# Allegro board 038RT-9068CJK8E-A100_0921_1.brd (continued)
## Nets (continued)
SH32_D_SJTMS: UNK3HOST2.8 UNK3RH281.2
SH32_DEV_SLP: UNK3RH2262.2 UNK3RH2263.2
SH32_DIS_DB: UNK3HOST2.29 UNK3RH229.1
SH32_GPIO8: UNK3RH2102.1 UNK3RH2104.2
SH32_GPIO_VBUS: UNK3RH2282.2 UNK3RH2283.2
SH32_ISOLATEBPIN: UNK3HOST2.12 UNK3RH212.2
SH32_L_SWR_5TO1_OUT: SH32_L_SWR_5TO1_OUT.1(TP) UNK3CH221.1 UNK3CH222.1 UNK3CH2111.1 UNK3CH2112.1 UNK3CH2251.1 UNK3CH2252.1 UNK3CH2351.1 UNK3CH2352.1 UNK3CH2551.1 UNK3CH2552.1 UNK3CH2601.1 UNK3CH2602.1 UNK3CH2631.1 UNK3CH2632.1 UNK3CH2633.1 UNK3CH2634.1 UNK3HOST2.2 UNK3HOST2.11 UNK3HOST2.25 UNK3HOST2.35 UNK3HOST2.55 UNK3HOST2.60 UNK3HOST2.63 UNK3LH21.1 UNK3RH216.1
SH32_LANWAKEB: UNK3HOST2.10 UNK3RH2101.2 UNK3RH2102.2 UNK3RH2103.2
SH32_LDO_5TO3_OUT: SH32_LDO_5TO3_OUT.1(TP) UNK3CH211.1 UNK3CH212.1 UNK3CH241.1 UNK3CH242.1 UNK3CH252.1 UNK3CH2201.1 UNK3CH2202.1 UNK3CH2341.1 UNK3CH2342.1 UNK3CH2391.1 UNK3CH2392.1 UNK3HOST2.1 UNK3HOST2.4 UNK3HOST2.20 UNK3HOST2.34 UNK3HOST2.39 UNK3HOST2.52 UNK3RH23.1 UNK3RH213.1 UNK3RH214.1 UNK3RH271.1 UNK3RH2103.1 UNK3RH2261.2 UNK3RH2271.2 UNK3RH2281.2
SH32_LED1: UNK3RH2272.2 UNK3RH2273.2
SH32_P7_CLKREQB: UNK3HOST2.13 UNK3K211.7 UNK3RH213.2
SH32_P7_HSI+: UNK3CS114.2 UNK3HOST2.64
SH32_P7_HSI-: UNK3CS113.2 UNK3HOST2.65
SH32_P7_HSO+: UNK3CH268.1 UNK3K213.26
SH32_P7_HSO-: UNK3CH267.1 UNK3K213.27
SH32_P7_ISOLATEB: UNK3K220.7 UNK3RH212.1 UNK3RS114.2
SH32_P7_LANWAKEB: UNK3K212.7 UNK3RH2101.1
SH32_P7_PCIE_RESETB: UNK3HOST2.14 UNK3K221.7 UNK3RH214.2
SH32_P7_REFCLK_100M+: UNK3HOST2.61 UNK3K214.36
SH32_P7_REFCLK_100M-: UNK3HOST2.62 UNK3K214.35
SH32_RSET: UNK3HOST2.51 UNK3RH2511.1
SH32_RST_INPIN: UNK3HOST2.3 UNK3RH23.2
SH32_SJTCLK: UNK3RH251.1 UNK3RH252.2
SH32_SJTDI: UNK3RH261.1 UNK3RH262.2
SH32_SJTDO/LED0: UNK3RH291.1 UNK3RH292.2
SH32_SJTMS: UNK3RH281.1 UNK3RH282.2
SH32_SPICK: UNK3HOST2.19 UNK3RH219.2 UNK3SPIH21.6
SH32_SPICK_DBG: UNK3RH219.1 UNK3RH2192.2
SH32_SPICS: UNK3HOST2.24 UNK3RH2241.2 UNK3RH2242.2 UNK3SPIH21.1
SH32_SPICS_DBG: UNK3RH2241.1 UNK3RH2243.2
SH32_SPIO2: UNK3HOST2.21 UNK3RH221.2 UNK3SPIH21.3
SH32_SPIO3: UNK3HOST2.22 UNK3RH222.2 UNK3SPIH21.7
SH32_SPISI: UNK3HOST2.18 UNK3RH218.2 UNK3SPIH21.5
SH32_SPISI_DBG: UNK3RH218.1 UNK3RH2182.2
SH32_SPISO: UNK3HOST2.23 UNK3RH223.2 UNK3SPIH21.2
SH32_SPISO_DBG: UNK3RH223.1 UNK3RH2232.2
SH32_SWR_5TO1_OUT: UNK3HOST2.16 UNK3LH21.2
SH32_TESTENPIN: UNK3HOST2.7 UNK3RH271.2 UNK3RH272.2
SH32_USB_AVDD10: SH32_USB_AVDD10.1(TP) UNK3CH2361.1 UNK3CH2362.1 UNK3CH2363.1 UNK3CH2364.1 UNK3CH2401.1 UNK3CH2402.1 UNK3CH2403.1 UNK3CH2404.1 UNK3CH2501.1 UNK3CH2502.1 UNK3CH2503.1 UNK3CH2504.1 UNK3HOST2.36 UNK3HOST2.40 UNK3HOST2.50 UNK3RH216.2
SH32_XTAL_IN: UNK3CH253.2 UNK3HOST2.53 UNK3YH21.3
SH32_XTAL_OUT: UNK3CH254.2 UNK3HOST2.54 UNK3YH21.1
SLOT0.CH0: SLOT0-UP.B27 UNK3R362.2
SLOT0.CH1: SITE2.P19(P1_RXER) SLOT0-UP.A26
SLOT0.CH2: SITE2.U18(P1_TESTD) SLOT0-UP.C26
SLOT0.CH3: SITE2.A10(RSET) SLOT0-UP.B25 UNK2R110.1
SLOT0.CH4: SLOT0-UP.A24 UNK2K56.2 UNK2K58.3
SLOT0.CH5: SLOT0-UP.C24 UNK2K56.7 UNK2K58.6
SLOT0.CH6: R327.1 RD82.2 SLOT0-UP.B23
SLOT0.CH7: R328.1 RD83.2 SLOT0-UP.A22
SLOT0.CH8: RD81.2 SLOT0-UP.C22
SLOT0.CH9: RD84.2 SLOT0-UP.B21
SLOT0.CH10: SLOT0-UP.A20 UNK2K52.2 UNK2K54.3
SLOT0.CH11: SLOT0-UP.C20 UNK2K52.7 UNK2K54.6
SLOT0.CH12: SLOT0-UP.B19 UNK2K240.2
SLOT0.CH13: SLOT0-UP.A18 UNK2K240.7
SLOT0.CH14: SLOT0-UP.C18 UNK2K242.2
SLOT0.CH15: SLOT0-UP.B17 UNK2K242.7
SLOT0.CH16: SLOT0-UP.A16 UNK2K241.2
SLOT0.CH17: SLOT0-UP.C16 UNK2K241.7
SLOT0.CH18: SLOT0-UP.B15 UNK2K243.2
SLOT0.CH19: SLOT0-UP.A14 UNK2K243.7
SLOT0.CH20: SLOT0-UP.C14 UNK2RR935.2
SLOT0.CH21: SLOT0-UP.B13 UNK2RR532.2
SLOT0.CH22: SLOT0-UP.A12 UNK1RD74.2
SLOT0.CH23: SLOT0-UP.C12 UNK3RD74.2
SLOT0.CH24: RD74.2 SLOT0-UP.B11
SLOT0.CH25: SLOT0-UP.A10 UNK2RD74.2
SLOT0.CH26: MUX3.6(DA) SLOT0-UP.C10
SLOT0.CH27: MUX3.7(DB) SLOT0-UP.B9
SLOT0.CH28: MUX8.6(DA) SLOT0-UP.A8
SLOT0.CH29: MUX8.7(DB) SLOT0-UP.C8
SLOT0.CH30: MUX4.6(DA) SLOT0-UP.B7
SLOT0.CH31: MUX4.7(DB) SLOT0-UP.A6
SLOT0.CH32: SLOT0-DOWN.B24 UNK1R347.2 UNK1R350.2
SLOT0.CH33: SLOT0-DOWN.A23 UNK1R348.2 UNK1R351.1
SLOT0.CH34: RR535.2 SLOT0-DOWN.C23
SLOT0.CH35: RR531.2 SLOT0-DOWN.B22
SLOT0.CH36: RR935.2 SLOT0-DOWN.A21
SLOT0.CH37: RR932.2 SLOT0-DOWN.C21
SLOT0.CH38: SLOT0-DOWN.B20 UNK3K181.5
SLOT0.CH39: SLOT0-DOWN.A19 UNK1K181.5
SLOT0.CH40: SLOT0-DOWN.C19 UNK2K181.5
SLOT0.CH41: K181.5 SLOT0-DOWN.B18
SLOT0.CH42: RR931.2 SLOT0-DOWN.A17
SLOT0.CH43: RR933.2 SLOT0-DOWN.C17
SLOT0.CH44: RR934.2 SLOT0-DOWN.B16
SLOT0.CH45: RR530.2 SLOT0-DOWN.A15
SLOT0.CH46: RD92.2 SLOT0-DOWN.C15
SLOT0.CH47: RD87.2 SLOT0-DOWN.B14
SLOT0.CH48: RD90.2 SLOT0-DOWN.A13
SLOT0.CH49: RD97.1 SLOT0-DOWN.C13
SLOT0.CH50: RD96.2 SLOT0-DOWN.B12
SLOT0.CH51: K11.3(NC1) SLOT0-DOWN.A11
SLOT0.CH53: K11.10(NC2) SLOT0-DOWN.B10
SLOT0.CH54: SLOT0-DOWN.A9 UNK3K183.4
SLOT0.CH55: SLOT0-DOWN.C9 UNK1K183.4
SLOT0.CH56: SLOT0-DOWN.B8 UNK2K183.4
SLOT0.CH57: K183.4 SLOT0-DOWN.A7
SLOT0.CH58: RD101.2 SLOT0-DOWN.C7
SLOT0.CH59: RD178.2 SLOT0-DOWN.B6
SLOT0.CH60: CD176.1 K9.5(NO1) SLOT0-DOWN.A5
SLOT0.CH61: K10.8(NO2) SLOT0-DOWN.C5 UNK2CD177.1
SLOT0.CH62: K183.5 SLOT0-DOWN.B4
SLOT0.CH63: K34.7 SLOT0-DOWN.A3
SLOT0.CH64: SLOT0-UP.D27 UNK3K7.10
SLOT0.CH65: SITE2.R8(GPIOE_1) SLOT0-UP.F27
SLOT0.CH66: SITE2.N9(GPIOF_4) SLOT0-UP.E25
SLOT0.CH67: SITE2.G18(P5_RXER) SLOT0-UP.D25
SLOT0.CH68: SITE2.R9(GPIOD_2) SLOT0-UP.F25
SLOT0.CH69: SITE2.M8(GPIOF_0) SLOT0-UP.E23
SLOT0.CH70: SLOT0-UP.D23 UNK1RD95.2
SLOT0.CH71: SLOT0-UP.F23 UNK3RD95.2
SLOT0.CH72: RD95.2 SLOT0-UP.E21
SLOT0.CH73: SLOT0-UP.D21 UNK2RD95.2
SLOT0.CH74: SITE2.L8(GPIOF_1) SLOT0-UP.F21
SLOT0.CH75: SITE2.K8(GPIOF_2) SLOT0-UP.E19
SLOT0.CH76: SLOT0-UP.D19 UNK2RR931.2
SLOT0.CH77: SITE2.J8(GPIOF_3) SLOT0-UP.F19
SLOT0.CH79: SLOT0-UP.D17 UNK2RR932.2
SLOT0.CH80: SLOT0-UP.F17 UNK2RR534.2
SLOT0.CH81: SLOT0-UP.E15 UNK2RR535.2
SLOT0.CH82: SLOT0-UP.D15 UNK2RR934.2
SLOT0.CH83: SLOT0-UP.F15 UNK2RR933.2
SLOT0.CH84: SLOT0-UP.E13 UNK2RR530.2
SLOT0.CH85: SLOT0-UP.D13 UNK2RR531.2
SLOT0.CH86: SLOT0-UP.F13 UNK1R327.1 UNK1RD82.2
SLOT0.CH87: SLOT0-UP.E11 UNK1R328.1 UNK1RD83.2
SLOT0.CH88: SLOT0-UP.F11 UNK1RD81.2
SLOT0.CH89: SLOT0-UP.E9 UNK1RD84.2
SLOT0.CH90: SLOT0-UP.F9 UNK2RR533.2
SLOT0.CH91: SITE2.N8(GPIOE_4) SLOT0-UP.E7
SLOT0.CH92: SITE2.N7(GPIOE_2) SLOT0-UP.F7
SLOT0.CH93: SITE2.M7(GPIOE_3) SLOT0-UP.E5
SLOT0.CH94: SITE2.N5(GPIOC_5) SLOT0-UP.F5
SLOT0.CH95: SITE2.M5(GPIOC_3) SLOT0-UP.E3
SLOT0.CH96: SITE0.G18(P5_RXER) SLOT0-DOWN.E25
SLOT0.CH97: R110.1 SITE0.A10(RSET) SLOT0-DOWN.D24
SLOT0.CH98: SITE0.P19(P1_RXER) SLOT0-DOWN.F24
SLOT0.CH99: SITE0.U18(P1_TESTD) SLOT0-DOWN.E23
SLOT0.CH100: RR533.2 SLOT0-DOWN.D22
SLOT0.CH101: SITE0.M8(GPIOF_0) SLOT0-DOWN.F22
SLOT0.CH102: SLOT0-DOWN.E21 UNK3K181.4
SLOT0.CH103: SLOT0-DOWN.D20 UNK1K181.4
SLOT0.CH104: SLOT0-DOWN.F20 UNK2K181.4
SLOT0.CH105: K181.4 SLOT0-DOWN.E19
SLOT0.CH106: RR534.2 SLOT0-DOWN.D18
SLOT0.CH107: SITE0.N9(GPIOF_4) SLOT0-DOWN.F18
SLOT0.CH108: SITE0.R9(GPIOD_2) SLOT0-DOWN.E17
SLOT0.CH109: RR532.2 SLOT0-DOWN.D16
SLOT0.CH110: SITE0.R7(GPIOE_0) SLOT0-DOWN.F16
SLOT0.CH111: SITE0.R8(GPIOE_1) SLOT0-DOWN.E15
SLOT0.CH112: RD100.2 SLOT0-DOWN.D14
SLOT0.CH113: SITE0.L8(GPIOF_1) SLOT0-DOWN.F14
SLOT0.CH114: SITE0.M4(GPIOC_2) SLOT0-DOWN.E13
SLOT0.CH115: SITE0.N4(GPIOC_4) SLOT0-DOWN.D12
SLOT0.CH116: SITE0.J8(GPIOF_3) SLOT0-DOWN.F12
SLOT0.CH117: SITE0.K8(GPIOF_2) SLOT0-DOWN.E11
SLOT0.CH118: SLOT0-DOWN.D10 UNK3K231.5
SLOT0.CH119: SLOT0-DOWN.F10 UNK1K231.5
SLOT0.CH120: SLOT0-DOWN.E9 UNK2K231.5
SLOT0.CH121: K231.5 SLOT0-DOWN.F8
SLOT0.CH122: K223.3(NC1) SLOT0-DOWN.E7
SLOT0.CH123: RD179.2 SLOT0-DOWN.F6
SLOT0.CH124: CD177.1 K10.5(NO1) SLOT0-DOWN.E5
SLOT0.CH125: K9.8(NO2) SLOT0-DOWN.F4 UNK2CD176.1
SLOT0.CH126: R347.2 R350.2 SLOT0-DOWN.E3
SLOT0.CH127: R348.2 R351.1 SLOT0-DOWN.F2
SLOT0.DGS0: SLOT0-DOWN.B26 STB00.1
SLOT0.DGS64: SLOT0-UP.B5 STB64.1
SLOT0.EXTA0: SLOT0-UP.C6
SLOT0.EXTA1: SLOT0-UP.D7
SLOT0.EXTB0: SLOT0-UP.B3
SLOT0.EXTB1: SLOT0-UP.D3
SLOT0.EXTC0: SLOT0-DOWN.A27
SLOT0.EXTC1: SLOT0-DOWN.C27
SLOT0.EXTD0: SLOT0-DOWN.A25
SLOT0.EXTD1: SLOT0-DOWN.C25
SLOT0.PMU_F0: SLOT0-UP.A4
SLOT0.PMU_F1: SLOT0-DOWN.F26
SLOT0.PMU_G0: SLOT0-UP.D5
SLOT0.PMU_G1: SLOT0-DOWN.D27
SLOT0.PMU_S0: SLOT0-UP.C4
SLOT0.PMU_S1: SLOT0-DOWN.F27
SLOT0.UB0: K182.8(V-) SLOT0-DOWN.A1 UNK1K182.8 UNK2K182.8 UNK3K182.8
SLOT0.UB1: K181.8(V-) SLOT0-DOWN.B2 UNK1K181.8 UNK2K181.8 UNK3K181.8
SLOT0.UB2: K183.8(V-) SLOT0-DOWN.C1 UNK1K183.8 UNK2K183.8 UNK3K183.8
SLOT0.UB3: K231.8(V-) SLOT0-DOWN.C3 UNK1K231.8 UNK2K231.8 UNK3K231.8
SLOT0.UB4: K82.12(EMITTER) SLOT0-DOWN.D1 UNK1K82.12
SLOT0.UB5: K180.8(V-) SLOT0-DOWN.D2 UNK1K180.8 UNK2K180.8 UNK3K180.8
SLOT0.UB6: R590.1 RU29.1 SLOT0-DOWN.D3
SLOT0.UB7: R588.1 RU27.1 SLOT0-DOWN.D4
SLOT0.UB8: R591.1 RU30.1 SLOT0-DOWN.D26
SLOT0.UB9: K7.12(EMITTER) SLOT0-UP.A2 UNK1K7.12 UNK2K7.12 UNK3K7.12
SLOT0.UB10: K220.8(V-) SLOT0-UP.B1 UNK1K220.8 UNK2K220.8 UNK3K220.8
SLOT0.UB11: K6.12(EMITTER) SLOT0-UP.C2 UNK1K6.12 UNK2K6.12 UNK3K6.12
SLOT0.UB12: K221.8(V-) SLOT0-UP.D1 UNK1K221.8 UNK2K221.8 UNK3K221.8
SLOT0.UB13: SLOT0-UP.E1
SLOT0.UB14: SLOT0-UP.F1
SLOT0.UB15: SLOT0-UP.F3
SLOT1.CH1: MUX11.6(DA) SLOT1-UP.A26
SLOT1.CH2: MUX11.7(DB) SLOT1-UP.C26
SLOT1.CH3: SLOT1-UP.B25 UNK3RD101.2
SLOT1.CH4: ATX1.16(POWER_ON) ATX_PWCT.1 SLOT1-UP.A24
SLOT1.CH5: SLOT1-UP.C24 UNK3K11.10
SLOT1.CH6: SLOT1-UP.B23 UNK2RD81.2
SLOT1.CH7: SLOT1-UP.A22 UNK2R327.1 UNK2RD82.2
SLOT1.CH8: SLOT1-UP.C22 UNK2RD84.2
SLOT1.CH9: SLOT1-UP.B21 UNK2R328.1 UNK2RD83.2
SLOT1.CH10: SLOT1-UP.A20 UNK3K241.2
SLOT1.CH11: SLOT1-UP.C20 UNK3K241.7
SLOT1.CH12: SLOT1-UP.B19 UNK3K243.2
SLOT1.CH13: SLOT1-UP.A18 UNK3K243.7
SLOT1.CH14: SLOT1-UP.C18 UNK3K240.2
SLOT1.CH15: SLOT1-UP.B17 UNK3K240.7
SLOT1.CH16: SLOT1-UP.A16 UNK3K242.2
SLOT1.CH17: SLOT1-UP.C16 UNK3K242.7
SLOT1.CH18: SLOT1-UP.B15 UNK3K52.2 UNK3K54.3
SLOT1.CH19: SLOT1-UP.A14 UNK3K52.7 UNK3K54.6
SLOT1.CH20: SLOT1-UP.C14 UNK3K56.2 UNK3K58.3
SLOT1.CH21: SLOT1-UP.B13 UNK3K56.7 UNK3K58.6
SLOT1.CH22: SLOT1-UP.A12 UNK3RD89.2
SLOT1.CH23: RD89.2 SLOT1-UP.C12
SLOT1.CH24: SLOT1-UP.B11 UNK1RD89.2
SLOT1.CH25: SLOT1-UP.A10 UNK2RD89.2
SLOT1.CH26: SITE3.G18(P5_RXER) SLOT1-UP.C10
SLOT1.CH27: SITE3.N7(GPIOE_2) SLOT1-UP.B9
SLOT1.CH28: SITE3.M7(GPIOE_3) SLOT1-UP.A8
SLOT1.CH29: SITE3.N8(GPIOE_4) SLOT1-UP.C8
SLOT1.CH30: SITE3.M5(GPIOC_3) SLOT1-UP.B7
SLOT1.CH31: SITE3.N5(GPIOC_5) SLOT1-UP.A6
SLOT1.CH32: SLOT1-DOWN.B24 UNK3R347.2 UNK3R350.2
SLOT1.CH33: SLOT1-DOWN.A23 UNK3R348.2 UNK3R351.1
SLOT1.CH34: SITE1.P19(P1_RXER) SLOT1-DOWN.C23
SLOT1.CH35: SLOT1-DOWN.B22 UNK1RR934.2
SLOT1.CH36: SLOT1-DOWN.A21 UNK1RR531.2
SLOT1.CH37: SITE1.G18(P5_RXER) SLOT1-DOWN.C21
SLOT1.CH38: SLOT1-DOWN.B20 UNK3RD85.2
SLOT1.CH39: SLOT1-DOWN.A19 UNK1RD85.2
SLOT1.CH40: SLOT1-DOWN.C19 UNK2RD85.2
SLOT1.CH41: RD85.2 SLOT1-DOWN.B18
SLOT1.CH42: SLOT1-DOWN.A17 UNK1RR932.2
SLOT1.CH43: SLOT1-DOWN.C17 UNK1RR931.2
SLOT1.CH44: SLOT1-DOWN.B16 UNK1K34.2
SLOT1.CH45: SLOT1-DOWN.A15 UNK1RD90.2
SLOT1.CH46: SLOT1-DOWN.C15 UNK1K34.7
SLOT1.CH47: SLOT1-DOWN.B14 UNK1RD92.2
SLOT1.CH48: SLOT1-DOWN.A13 UNK1RD97.1
SLOT1.CH49: SLOT1-DOWN.C13 UNK1RD87.2
SLOT1.CH50: SLOT1-DOWN.B12 UNK1RD96.2
SLOT1.CH51: SLOT1-DOWN.A11 UNK1RR534.2
SLOT1.CH52: SLOT1-DOWN.C11 UNK1RR532.2
SLOT1.CH53: SLOT1-DOWN.B10 UNK1RR530.2
SLOT1.CH54: SLOT1-DOWN.A9 UNK3RD99.2
SLOT1.CH55: SLOT1-DOWN.C9 UNK1RD99.2
SLOT1.CH56: SLOT1-DOWN.B8 UNK2RD99.2
SLOT1.CH57: RD99.2 SLOT1-DOWN.A7
SLOT1.CH58: SLOT1-DOWN.C7 UNK1RR935.2
SLOT1.CH60: S1_TAPSL0.2 SLOT1-DOWN.A5 UNK1RD79.2
SLOT1.CH61: S1_TAPSL1.2 SLOT1-DOWN.C5 UNK1RD80.2
SLOT1.CH62: R362.2 SLOT1-DOWN.B4
SLOT1.CH63: SLOT1-DOWN.A3 UNK1RD179.2
SLOT1.CH65: SLOT1-UP.F27 UNK1RD101.2
SLOT1.CH66: SLOT1-UP.E25 UNK3RD178.2
SLOT1.CH67: SLOT1-UP.D25 UNK3K223.3
SLOT1.CH68: SLOT1-UP.F25 UNK3RD179.2
SLOT1.CH69: SLOT1-UP.E23 UNK3K11.3
SLOT1.CH70: SLOT1-UP.D23 UNK3RD88.2
SLOT1.CH71: SLOT1-UP.F23 UNK2RD88.2
SLOT1.CH72: SLOT1-UP.E21 UNK1RD88.2
SLOT1.CH73: RD88.2 SLOT1-UP.D21
SLOT1.CH74: SITE3.M8(GPIOF_0) SLOT1-UP.F21
SLOT1.CH75: SITE3.N9(GPIOF_4) SLOT1-UP.E19
SLOT1.CH76: SITE3.R8(GPIOE_1) SLOT1-UP.D19
SLOT1.CH77: SITE3.R9(GPIOD_2) SLOT1-UP.F19
SLOT1.CH78: SITE3.R7(GPIOE_0) SLOT1-UP.E17
SLOT1.CH79: SITE3.M4(GPIOC_2) SLOT1-UP.D17
SLOT1.CH80: SITE3.N4(GPIOC_4) SLOT1-UP.F17
SLOT1.CH81: SITE3.L8(GPIOF_1) SLOT1-UP.E15
SLOT1.CH82: SITE3.J8(GPIOF_3) SLOT1-UP.D15
SLOT1.CH83: SITE3.K8(GPIOF_2) SLOT1-UP.F15
SLOT1.CH85: SITE3.A10(RSET) SLOT1-UP.D13 UNK3R110.1
SLOT1.CH86: SLOT1-UP.F13 UNK3RD84.2
SLOT1.CH87: SLOT1-UP.E11 UNK3RD81.2
SLOT1.CH88: SLOT1-UP.F11 UNK3R328.1 UNK3RD83.2
SLOT1.CH89: SLOT1-UP.E9 UNK3R327.1 UNK3RD82.2
SLOT1.CH90: MUX1.6(DA) SLOT1-UP.F9
SLOT1.CH91: MUX1.7(DB) SLOT1-UP.E7
SLOT1.CH92: MUX10.6(DA) SLOT1-UP.F7
SLOT1.CH93: MUX10.7(DB) SLOT1-UP.E5
SLOT1.CH94: MUX7.6(DA) SLOT1-UP.F5
SLOT1.CH95: MUX7.7(DB) SLOT1-UP.E3
SLOT1.CH96: SITE1.N9(GPIOF_4) SLOT1-DOWN.E25
SLOT1.CH97: SITE1.U18(P1_TESTD) SLOT1-DOWN.D24
SLOT1.CH98: SITE1.R9(GPIOD_2) SLOT1-DOWN.F24
SLOT1.CH99: SITE1.R8(GPIOE_1) SLOT1-DOWN.E23
SLOT1.CH100: SITE1.M8(GPIOF_0) SLOT1-DOWN.D22
SLOT1.CH101: SITE1.R7(GPIOE_0) SLOT1-DOWN.F22
SLOT1.CH102: SLOT1-DOWN.E21 UNK3RD86.2
SLOT1.CH103: SLOT1-DOWN.D20 UNK1RD86.2
SLOT1.CH104: SLOT1-DOWN.F20 UNK2RD86.2
SLOT1.CH105: RD86.2 SLOT1-DOWN.E19
SLOT1.CH106: SLOT1-DOWN.D18 UNK1RR533.2
SLOT1.CH107: SITE1.N4(GPIOC_4) SLOT1-DOWN.F18
SLOT1.CH108: SITE1.M4(GPIOC_2) SLOT1-DOWN.E17
SLOT1.CH109: SLOT1-DOWN.D16 UNK1R434.2
SLOT1.CH110: SITE1.L8(GPIOF_1) SLOT1-DOWN.F16
SLOT1.CH111: SITE1.K8(GPIOF_2) SLOT1-DOWN.E15
SLOT1.CH112: SLOT1-DOWN.D14 UNK1RD100.2
SLOT1.CH113: SITE1.J8(GPIOF_3) SLOT1-DOWN.F14
SLOT1.CH115: SLOT1-DOWN.D12 UNK1RR535.2
SLOT1.CH116: SITE1.A10(RSET) SLOT1-DOWN.F12 UNK1R110.1
SLOT1.CH117: SLOT1-DOWN.E11 UNK1K11.10
SLOT1.CH118: SLOT1-DOWN.D10 UNK3RD98.2
SLOT1.CH119: SLOT1-DOWN.F10 UNK1RD98.2
SLOT1.CH120: SLOT1-DOWN.E9 UNK2RD98.2
SLOT1.CH121: RD98.2 SLOT1-DOWN.F8
SLOT1.CH122: SLOT1-DOWN.E7 UNK1K11.3
SLOT1.CH123: SLOT1-DOWN.F6 UNK1K223.3
SLOT1.CH124: K7.10(NC2) SLOT1-DOWN.E5
SLOT1.CH125: SLOT1-DOWN.F4 UNK1RD178.2
SLOT1.CH126: SLOT1-DOWN.E3 UNK2R348.2 UNK2R351.1
SLOT1.CH127: SLOT1-DOWN.F2 UNK2R347.2 UNK2R350.2
SLOT1.DGS0: SLOT1-DOWN.B26 UNK1STB00.1
SLOT1.DGS64: SLOT1-UP.B5 UNK1STB64.1
SLOT1.EXTA0: SLOT1-UP.C6
SLOT1.EXTA1: SLOT1-UP.D7
SLOT1.EXTB0: SLOT1-UP.B3
SLOT1.EXTB1: SLOT1-UP.D3
SLOT1.EXTC0: SLOT1-DOWN.A27
SLOT1.EXTC1: SLOT1-DOWN.C27
SLOT1.EXTD0: SLOT1-DOWN.A25
SLOT1.EXTD1: SLOT1-DOWN.C25
SLOT1.PMU_F0: SLOT1-UP.A4
SLOT1.PMU_F1: SLOT1-DOWN.F26
SLOT1.PMU_G0: SLOT1-UP.D5
SLOT1.PMU_G1: SLOT1-DOWN.D27
SLOT1.PMU_S0: SLOT1-UP.C4
SLOT1.PMU_S1: SLOT1-DOWN.F27
SLOT1.UB0: K228.8(V-) SLOT1-DOWN.A1 UNK1K228.8 UNK2K228.8 UNK3K228.8
SLOT1.UB1: K124.8(V-) SLOT1-DOWN.B2 UNK1K124.8 UNK2K124.8 UNK3K124.8
SLOT1.UB2: K227.8(V-) SLOT1-DOWN.C1 UNK1K227.8 UNK2K227.8 UNK3K227.8
SLOT1.UB3: K232.8(V-) SLOT1-DOWN.C3 UNK1K232.8 UNK2K232.8 UNK3K232.8
SLOT1.UB4: K34.8(V-) SLOT1-DOWN.D1 UNK1K34.8 UNK2K34.8 UNK3K34.8
SLOT1.UB5: K233.8(V-) SLOT1-DOWN.D2 UNK1K233.8 UNK2K233.8 UNK3K233.8
SLOT1.UB6: K140.8(V-) SLOT1-DOWN.D3 UNK1K140.8 UNK2K140.8 UNK3K140.8
SLOT1.UB7: K64.8(V-) SLOT1-DOWN.D4 UNK1K64.8 UNK2K64.8 UNK3K64.8
SLOT1.UB8: SLOT1-DOWN.D26
SLOT1.UB9: SLOT1-UP.A2
SLOT1.UB10: SLOT1-UP.B1
SLOT1.UB11: SLOT1-UP.C2
SLOT1.UB12: K212.8(V-) SLOT1-UP.D1 UNK1K212.8 UNK2K212.8 UNK3K212.8
SLOT1.UB13: K211.8(V-) SLOT1-UP.E1 UNK1K211.8 UNK2K211.8 UNK3K211.8
SLOT1.UB14: K4.12(EMITTER) SLOT1-UP.F1 UNK1K4.12 UNK2K4.12 UNK3K4.12
SLOT1.UB15: K5.12(EMITTER) SLOT1-UP.F3 UNK1K5.12 UNK2K5.12 UNK3K5.12
SLOT2.CH0: SLOT2-UP.B27 UNK2R362.2
SLOT2.CH1: SLOT2-UP.A26 UNK2HOST2.27 UNK2RH2271.1 UNK2RH2272.1
SLOT2.CH2: S2_TAPSL0.2 SLOT2-UP.C26 UNK2RD79.2
SLOT2.CH3: SLOT2-UP.B25 UNK2HOST2.26 UNK2RH2261.1 UNK2RH2262.1
SLOT2.CH4: SLOT2-UP.A24 UNK2RD92.2
SLOT2.CH5: SLOT2-UP.C24 UNK2HOST1.27 UNK2RH1271.1 UNK2RH1272.1
SLOT2.CH6: SLOT2-UP.B23 UNK1K180.4
SLOT2.CH7: SLOT2-UP.A22 UNK3K180.4
SLOT2.CH8: K180.4 SLOT2-UP.C22
SLOT2.CH9: SLOT2-UP.B21 UNK2K180.4
SLOT2.CH10: SLOT2-UP.A20 UNK2RD96.2
SLOT2.CH11: SLOT2-UP.C20 UNK2RD87.2
SLOT2.CH12: SLOT2-UP.B19 UNK2R434.2
SLOT2.CH13: SLOT2-UP.A18 UNK2K34.7
SLOT2.CH14: SLOT2-UP.C18 UNK2K34.2
SLOT2.CH15: SLOT2-UP.B17 UNK2RD100.2
SLOT2.CH16: SITE2.N4(GPIOC_4) SLOT2-UP.A16
SLOT2.CH17: SITE2.M4(GPIOC_2) SLOT2-UP.C16
SLOT2.CH18: SLOT2-UP.B15 UNK2K11.3
SLOT2.CH19: SLOT2-UP.A14 UNK2K223.3
SLOT2.CH20: SLOT2-UP.C14 UNK2K11.10
SLOT2.CH21: SLOT2-UP.B13 UNK2RD178.2
SLOT2.CH22: SLOT2-UP.A12 UNK1RD76.2
SLOT2.CH23: SLOT2-UP.C12 UNK3RD76.2
SLOT2.CH24: RD76.2 SLOT2-UP.B11
SLOT2.CH25: SLOT2-UP.A10 UNK2RD76.2
SLOT2.CH26: SLOT2-UP.C10 UNK2RD179.2
SLOT2.CH27: SLOT2-UP.B9 UNK2K183.5
SLOT2.CH28: SLOT2-UP.A8 UNK2K232.5
SLOT2.CH29: SLOT2-UP.C8 UNK2K233.4
SLOT2.CH30: SITE2.P4(GPIOD_0) SLOT2-UP.B7 UNK2RD180.1
SLOT2.CH31: SITE2.P5(GPIOD_1) SLOT2-UP.A6 UNK2RD181.1
SLOT2.CH32: SITE0.M7(GPIOE_3) SLOT2-DOWN.B24
SLOT2.CH33: SITE0.N5(GPIOC_5) SLOT2-DOWN.A23
SLOT2.CH34: SITE0.M5(GPIOC_3) SLOT2-DOWN.C23
SLOT2.CH35: SITE0.N7(GPIOE_2) SLOT2-DOWN.B22
SLOT2.CH36: CD175.1 K8.5(NO1) SLOT2-DOWN.A21
SLOT2.CH37: SITE0.N8(GPIOE_4) SLOT2-DOWN.C21
SLOT2.CH38: SLOT2-DOWN.B20 UNK3K233.5
SLOT2.CH39: SLOT2-DOWN.A19 UNK1K233.5
SLOT2.CH40: SLOT2-DOWN.C19 UNK2K233.5
SLOT2.CH41: K233.5 SLOT2-DOWN.B18
SLOT2.CH42: MUX15.6(DA) SLOT2-DOWN.A17
SLOT2.CH43: MUX15.7(DB) SLOT2-DOWN.C17
SLOT2.CH44: MUX5.6(DA) SLOT2-DOWN.B16
SLOT2.CH45: MUX5.7(DB) SLOT2-DOWN.A15
SLOT2.CH46: MUX2.6(DA) SLOT2-DOWN.C15
SLOT2.CH47: MUX2.7(DB) SLOT2-DOWN.B14
SLOT2.CH48: K8.8(NO2) SLOT2-DOWN.A13 UNK2CD175.1
SLOT2.CH49: K233.4 SLOT2-DOWN.C13
SLOT2.CH50: RD180.1 SITE0.P4(GPIOD_0) SLOT2-DOWN.B12
SLOT2.CH51: RR515.2 SLOT2-DOWN.A11
SLOT2.CH52: RR514.2 SLOT2-DOWN.C11
SLOT2.CH53: RR511.2 SLOT2-DOWN.B10
SLOT2.CH54: SLOT2-DOWN.A9 UNK3K182.5
SLOT2.CH55: SLOT2-DOWN.C9 UNK1K182.5
SLOT2.CH56: SLOT2-DOWN.B8 UNK2K182.5
SLOT2.CH57: RR512.2 SLOT2-DOWN.A7
SLOT2.CH58: K182.5 SLOT2-DOWN.C7
SLOT2.CH59: RR513.2 SLOT2-DOWN.B6
SLOT2.CH60: RD80.2 S0_TAPSL1.2 SLOT2-DOWN.A5
SLOT2.CH61: RD79.2 S0_TAPSL0.2 SLOT2-DOWN.C5
SLOT2.CH62: K82.3(NC1) SLOT2-DOWN.B4
SLOT2.CH63: SLOT2-DOWN.A3 UNK1K82.3
SLOT2.CH64: SLOT2-UP.D27 UNK2K7.10
SLOT2.CH65: S2_TAPSL1.2 SLOT2-UP.F27 UNK2RD80.2
SLOT2.CH66: RR914.2 SLOT2-UP.E25
SLOT2.CH67: SLOT2-UP.D25 UNK2HOST1.26 UNK2RH1261.1 UNK2RH1262.1
SLOT2.CH68: RR915.2 SLOT2-UP.F25
SLOT2.CH69: RR910.2 SLOT2-UP.E23
SLOT2.CH70: SLOT2-UP.D23 UNK1RR412.2
SLOT2.CH71: SLOT2-UP.F23 UNK3RR412.2
SLOT2.CH72: RR412.2 SLOT2-UP.E21
SLOT2.CH73: SLOT2-UP.D21 UNK2RR412.2
SLOT2.CH74: RR911.2 SLOT2-UP.F21
SLOT2.CH75: RR913.2 SLOT2-UP.E19
SLOT2.CH76: SLOT2-UP.D19 UNK2RD97.1
SLOT2.CH77: SLOT2-UP.F19 UNK2RR914.2
SLOT2.CH78: SLOT2-UP.E17 UNK2RR915.2
SLOT2.CH79: SLOT2-UP.D17 UNK2RD90.2
SLOT2.CH80: SLOT2-UP.F17 UNK2RR910.2
SLOT2.CH81: SLOT2-UP.E15 UNK2RR911.2
SLOT2.CH82: SITE2.R7(GPIOE_0) SLOT2-UP.D15
SLOT2.CH83: SLOT2-UP.F15 UNK2RR913.2
SLOT2.CH84: SLOT2-UP.E13 UNK2RR513.2
SLOT2.CH85: SLOT2-UP.D13 UNK2RD101.2
SLOT2.CH86: SLOT2-UP.F13 UNK1K180.5
SLOT2.CH87: SLOT2-UP.E11 UNK3K180.5
SLOT2.CH88: K180.5 SLOT2-UP.F11
SLOT2.CH89: SLOT2-UP.E9 UNK2K180.5
SLOT2.CH90: SLOT2-UP.F9 UNK2RR512.2
SLOT2.CH91: SLOT2-UP.E7 UNK2RR510.2
SLOT2.CH92: SLOT2-UP.F7 UNK2RR511.2
SLOT2.CH93: SLOT2-UP.E5 UNK2RR515.2
SLOT2.CH94: SLOT2-UP.F5 UNK2RR514.2
SLOT2.CH95: SLOT2-UP.E3 UNK2RR912.2
SLOT2.CH96: K56.2 K58.3 SLOT2-DOWN.E25
SLOT2.CH97: K56.7 K58.6 SLOT2-DOWN.D24
SLOT2.CH98: K52.2 K54.3 SLOT2-DOWN.F24
SLOT2.CH99: K52.7 K54.6 SLOT2-DOWN.E23
SLOT2.CH100: K243.2 SLOT2-DOWN.D22
SLOT2.CH101: K243.7 SLOT2-DOWN.F22
SLOT2.CH102: SLOT2-DOWN.E21 UNK3K232.4
SLOT2.CH103: SLOT2-DOWN.D20 UNK1K232.4
SLOT2.CH104: SLOT2-DOWN.F20 UNK2K232.4
SLOT2.CH105: K232.4 SLOT2-DOWN.E19
SLOT2.CH106: K241.2 SLOT2-DOWN.D18
SLOT2.CH107: K241.7 SLOT2-DOWN.F18
SLOT2.CH108: K242.2 SLOT2-DOWN.E17
SLOT2.CH109: K242.7 SLOT2-DOWN.D16
SLOT2.CH110: K240.2 SLOT2-DOWN.F16
SLOT2.CH111: K240.7 SLOT2-DOWN.E15
SLOT2.CH112: HOST1.26(GPIO11) RH1261.1 RH1262.1 SLOT2-DOWN.D14
SLOT2.CH113: RD181.1 SITE0.P5(GPIOD_1) SLOT2-DOWN.F14
SLOT2.CH114: K232.5 SLOT2-DOWN.E13
SLOT2.CH115: HOST1.27(VMON_A_APAD) RH1271.1 RH1272.1 SLOT2-DOWN.D12
SLOT2.CH116: RR930.2 SLOT2-DOWN.F12
SLOT2.CH117: RR912.2 SLOT2-DOWN.E11
SLOT2.CH118: SLOT2-DOWN.D10 UNK3K182.4
SLOT2.CH119: SLOT2-DOWN.F10 UNK1K182.4
SLOT2.CH120: SLOT2-DOWN.E9 UNK2K182.4
SLOT2.CH121: K182.4 SLOT2-DOWN.F8
SLOT2.CH122: RR510.2 SLOT2-DOWN.E7
SLOT2.CH125: K82.10(NC2) SLOT2-DOWN.F4
SLOT2.CH126: SLOT2-DOWN.E3 UNK1K82.10
SLOT2.CH127: BST_P45V.1 R548.1 SLOT2-DOWN.F2 UNK1R548.1 UNK2R548.1 UNK3R548.1
SLOT2.DGS0: SLOT2-DOWN.B26 UNK2STB00.1
SLOT2.DGS64: SLOT2-UP.B5 UNK2STB64.1
SLOT2.EXTA0: SLOT2-UP.C6
SLOT2.EXTA1: SLOT2-UP.D7
SLOT2.EXTB0: SLOT2-UP.B3
SLOT2.EXTB1: SLOT2-UP.D3
SLOT2.EXTC0: SLOT2-DOWN.A27
SLOT2.EXTC1: SLOT2-DOWN.C27
SLOT2.EXTD0: SLOT2-DOWN.A25
SLOT2.EXTD1: SLOT2-DOWN.C25
SLOT2.PMU_F0: SLOT2-UP.A4
SLOT2.PMU_F1: SLOT2-DOWN.F26
SLOT2.PMU_G0: SLOT2-UP.D5
SLOT2.PMU_G1: SLOT2-DOWN.D27
SLOT2.PMU_S0: SLOT2-UP.C4
SLOT2.PMU_S1: SLOT2-DOWN.F27
SLOT2.UB0: R592.1 RU7.1 SLOT2-DOWN.A1
SLOT2.UB1: K56.8(V-) SLOT2-DOWN.B2 UNK1K56.8 UNK2K56.8 UNK3K56.8
SLOT2.UB2: K54.8(V-) SLOT2-DOWN.C1 UNK1K54.8 UNK2K54.8 UNK3K54.8
SLOT2.UB3: K58.8(V-) SLOT2-DOWN.C3 UNK1K58.8 UNK2K58.8 UNK3K58.8
SLOT2.UB4: R589.1 RU25.1 SLOT2-DOWN.D1
SLOT2.UB5: K52.8(V-) SLOT2-DOWN.D2 UNK1K52.8 UNK2K52.8 UNK3K52.8
SLOT2.UB6: K225.8(V-) SLOT2-DOWN.D3 UNK1K225.8 UNK2K225.8 UNK3K225.8
SLOT2.UB7: K226.8(V-) SLOT2-DOWN.D4 UNK1K226.8 UNK2K226.8 UNK3K226.8
SLOT2.UB8: SLOT2-DOWN.D26
SLOT2.UB9: SLOT2-UP.A2
SLOT2.UB10: SLOT2-UP.B1
SLOT2.UB11: SLOT2-UP.C2
SLOT2.UB12: SLOT2-UP.D1
SLOT2.UB13: SLOT2-UP.E1
SLOT2.UB14: SLOT2-UP.F1
SLOT2.UB15: KB1.12(EMITTER) SLOT2-UP.F3
SLOT3.CH0: SLOT3-UP.B27 UNK2RR930.2
SLOT3.CH1: K34.2 SLOT3-UP.A26
SLOT3.CH2: SLOT3-UP.C26 UNK3HOST2.26 UNK3RH2261.1 UNK3RH2262.1
SLOT3.CH3: SLOT3-UP.B25 UNK1HOST2.26 UNK1RH2261.1 UNK1RH2262.1
SLOT3.CH4: R434.2 SLOT3-UP.A24
SLOT3.CH5: SLOT3-UP.C24 UNK1HOST1.26 UNK1RH1261.1 UNK1RH1262.1
SLOT3.CH6: HOST2.27(VMON_A_APAD) RH2271.1 RH2272.1 SLOT3-UP.B23
SLOT3.CH7: MUX14.7(DB) SLOT3-UP.A22
SLOT3.CH8: HOST2.26(GPIO11) RH2261.1 RH2262.1 SLOT3-UP.C22
SLOT3.CH9: MUX14.6(DA) SLOT3-UP.B21
SLOT3.CH10: MUX13.7(DB) SLOT3-UP.A20
SLOT3.CH11: SLOT3-UP.C20 UNK1RR512.2
SLOT3.CH12: MUX13.6(DA) SLOT3-UP.B19
SLOT3.CH13: MUX16.6(DA) SLOT3-UP.A18
SLOT3.CH15: S3_TAPSL1.2 SLOT3-UP.B17 UNK3RD80.2
SLOT3.CH16: SLOT3-UP.A16 UNK3RR914.2
SLOT3.CH17: S3_TAPSL0.2 SLOT3-UP.C16 UNK3RD79.2
SLOT3.CH18: SLOT3-UP.B15 UNK3RR910.2
SLOT3.CH19: SLOT3-UP.A14 UNK3RR913.2
SLOT3.CH20: SLOT3-UP.C14 UNK3RR911.2
SLOT3.CH21: SLOT3-UP.B13 UNK3RR512.2
SLOT3.CH22: SLOT3-UP.A12 UNK3RR511.2
SLOT3.CH23: SLOT3-UP.C12 UNK3RR510.2
SLOT3.CH24: SLOT3-UP.B11 UNK3RR515.2
SLOT3.CH25: SLOT3-UP.A10 UNK3RR912.2
SLOT3.CH26: SLOT3-UP.C10 UNK3RR514.2
SLOT3.CH27: SLOT3-UP.B9 UNK3RR930.2
SLOT3.CH28: SITE3.P5(GPIOD_1) SLOT3-UP.A8 UNK3RD181.1
SLOT3.CH29: SLOT3-UP.C8 UNK3K233.4
SLOT3.CH30: SITE3.P4(GPIOD_0) SLOT3-UP.B7 UNK3RD180.1
SLOT3.CH31: SLOT3-UP.A6 UNK3K232.5
SLOT3.CH32: SITE1.N5(GPIOC_5) SLOT3-DOWN.B24
SLOT3.CH33: SITE1.N7(GPIOE_2) SLOT3-DOWN.A23
SLOT3.CH34: SITE1.M5(GPIOC_3) SLOT3-DOWN.C23
SLOT3.CH35: SITE1.N8(GPIOE_4) SLOT3-DOWN.B22
SLOT3.CH36: SLOT3-DOWN.A21 UNK1K10.8 UNK3CD177.1
SLOT3.CH37: SLOT3-DOWN.C21 UNK1CD177.1 UNK1K10.5
SLOT3.CH38: SLOT3-DOWN.B20 UNK3RD78.2
SLOT3.CH39: SLOT3-DOWN.A19 UNK1RD78.2
SLOT3.CH40: SLOT3-DOWN.C19 UNK2RD78.2
SLOT3.CH41: RD78.2 SLOT3-DOWN.B18
SLOT3.CH42: SITE1.P4(GPIOD_0) SLOT3-DOWN.A17 UNK1RD180.1
SLOT3.CH43: SLOT3-DOWN.C17 UNK1K232.5
SLOT3.CH44: SITE1.P5(GPIOD_1) SLOT3-DOWN.B16 UNK1RD181.1
SLOT3.CH45: SLOT3-DOWN.A15 UNK1RR912.2
SLOT3.CH46: SLOT3-DOWN.C15 UNK1K52.2 UNK1K54.3
SLOT3.CH47: SLOT3-DOWN.B14 UNK1K52.7 UNK1K54.6
SLOT3.CH48: SLOT3-DOWN.A13 UNK1K56.2 UNK1K58.3
SLOT3.CH49: SLOT3-DOWN.C13 UNK1K56.7 UNK1K58.6
SLOT3.CH50: SLOT3-DOWN.B12 UNK1K240.2
SLOT3.CH51: SLOT3-DOWN.A11 UNK1K240.7
SLOT3.CH52: SLOT3-DOWN.C11 UNK1K242.2
SLOT3.CH53: SLOT3-DOWN.B10 UNK1K242.7
SLOT3.CH54: SLOT3-DOWN.A9 UNK3RD77.2
SLOT3.CH55: SLOT3-DOWN.C9 UNK1RD77.2
SLOT3.CH56: SLOT3-DOWN.B8 UNK2RD77.2
SLOT3.CH57: RD77.2 SLOT3-DOWN.A7
SLOT3.CH58: SLOT3-DOWN.C7 UNK1K241.2
SLOT3.CH59: SLOT3-DOWN.B6 UNK1K241.7
SLOT3.CH60: SLOT3-DOWN.A5 UNK1K243.2
SLOT3.CH61: SLOT3-DOWN.C5 UNK1K243.7
SLOT3.CH62: SLOT3-DOWN.B4 UNK1RR915.2
SLOT3.CH63: SLOT3-DOWN.A3 UNK1R362.2
SLOT3.CH64: SLOT3-UP.D27 UNK3HOST1.27 UNK3RH1271.1 UNK3RH1272.1
SLOT3.CH65: MUX12.6(DA) SLOT3-UP.F27
SLOT3.CH66: MUX12.7(DB) SLOT3-UP.E25
SLOT3.CH67: SLOT3-UP.D25 UNK3HOST2.27 UNK3RH2271.1 UNK3RH2272.1
SLOT3.CH68: SLOT3-UP.F25 UNK3HOST1.26 UNK3RH1261.1 UNK3RH1262.1
SLOT3.CH69: SITE3.P19(P1_RXER) SLOT3-UP.E23
SLOT3.CH70: SLOT3-UP.D23 UNK1HOST1.27 UNK1RH1271.1 UNK1RH1272.1
SLOT3.CH71: SITE3.U18(P1_TESTD) SLOT3-UP.F23
SLOT3.CH72: SLOT3-UP.E21 UNK3K34.7
SLOT3.CH73: R584.2 SLOT3-UP.D21 UNK1R584.2 UNK2R584.2 UNK3R584.2
SLOT3.CH74: SLOT3-UP.F21 UNK3K34.2
SLOT3.CH75: SLOT3-UP.E19 UNK3RR932.2
SLOT3.CH76: SLOT3-UP.D19 UNK3R434.2
SLOT3.CH77: SLOT3-UP.F19 UNK3RR931.2
SLOT3.CH78: SLOT3-UP.E17 UNK3RR533.2
SLOT3.CH79: SLOT3-UP.D17 UNK3RR531.2
SLOT3.CH80: SLOT3-UP.F17 UNK3RR934.2
SLOT3.CH81: SLOT3-UP.E15 UNK3RR933.2
SLOT3.CH82: SLOT3-UP.D15 UNK3RR915.2
SLOT3.CH83: SLOT3-UP.F15 UNK3RR935.2
SLOT3.CH84: SLOT3-UP.E13 UNK3RR534.2
SLOT3.CH85: SLOT3-UP.D13 UNK3RR513.2
SLOT3.CH86: SLOT3-UP.F13 UNK3RR535.2
SLOT3.CH87: SLOT3-UP.E11 UNK3RR530.2
SLOT3.CH88: SLOT3-UP.F11 UNK3RR532.2
